# KiCad board Rogelio Pineda 2;12 AM-AMLDC-2044B.kicad_pcb (continued)
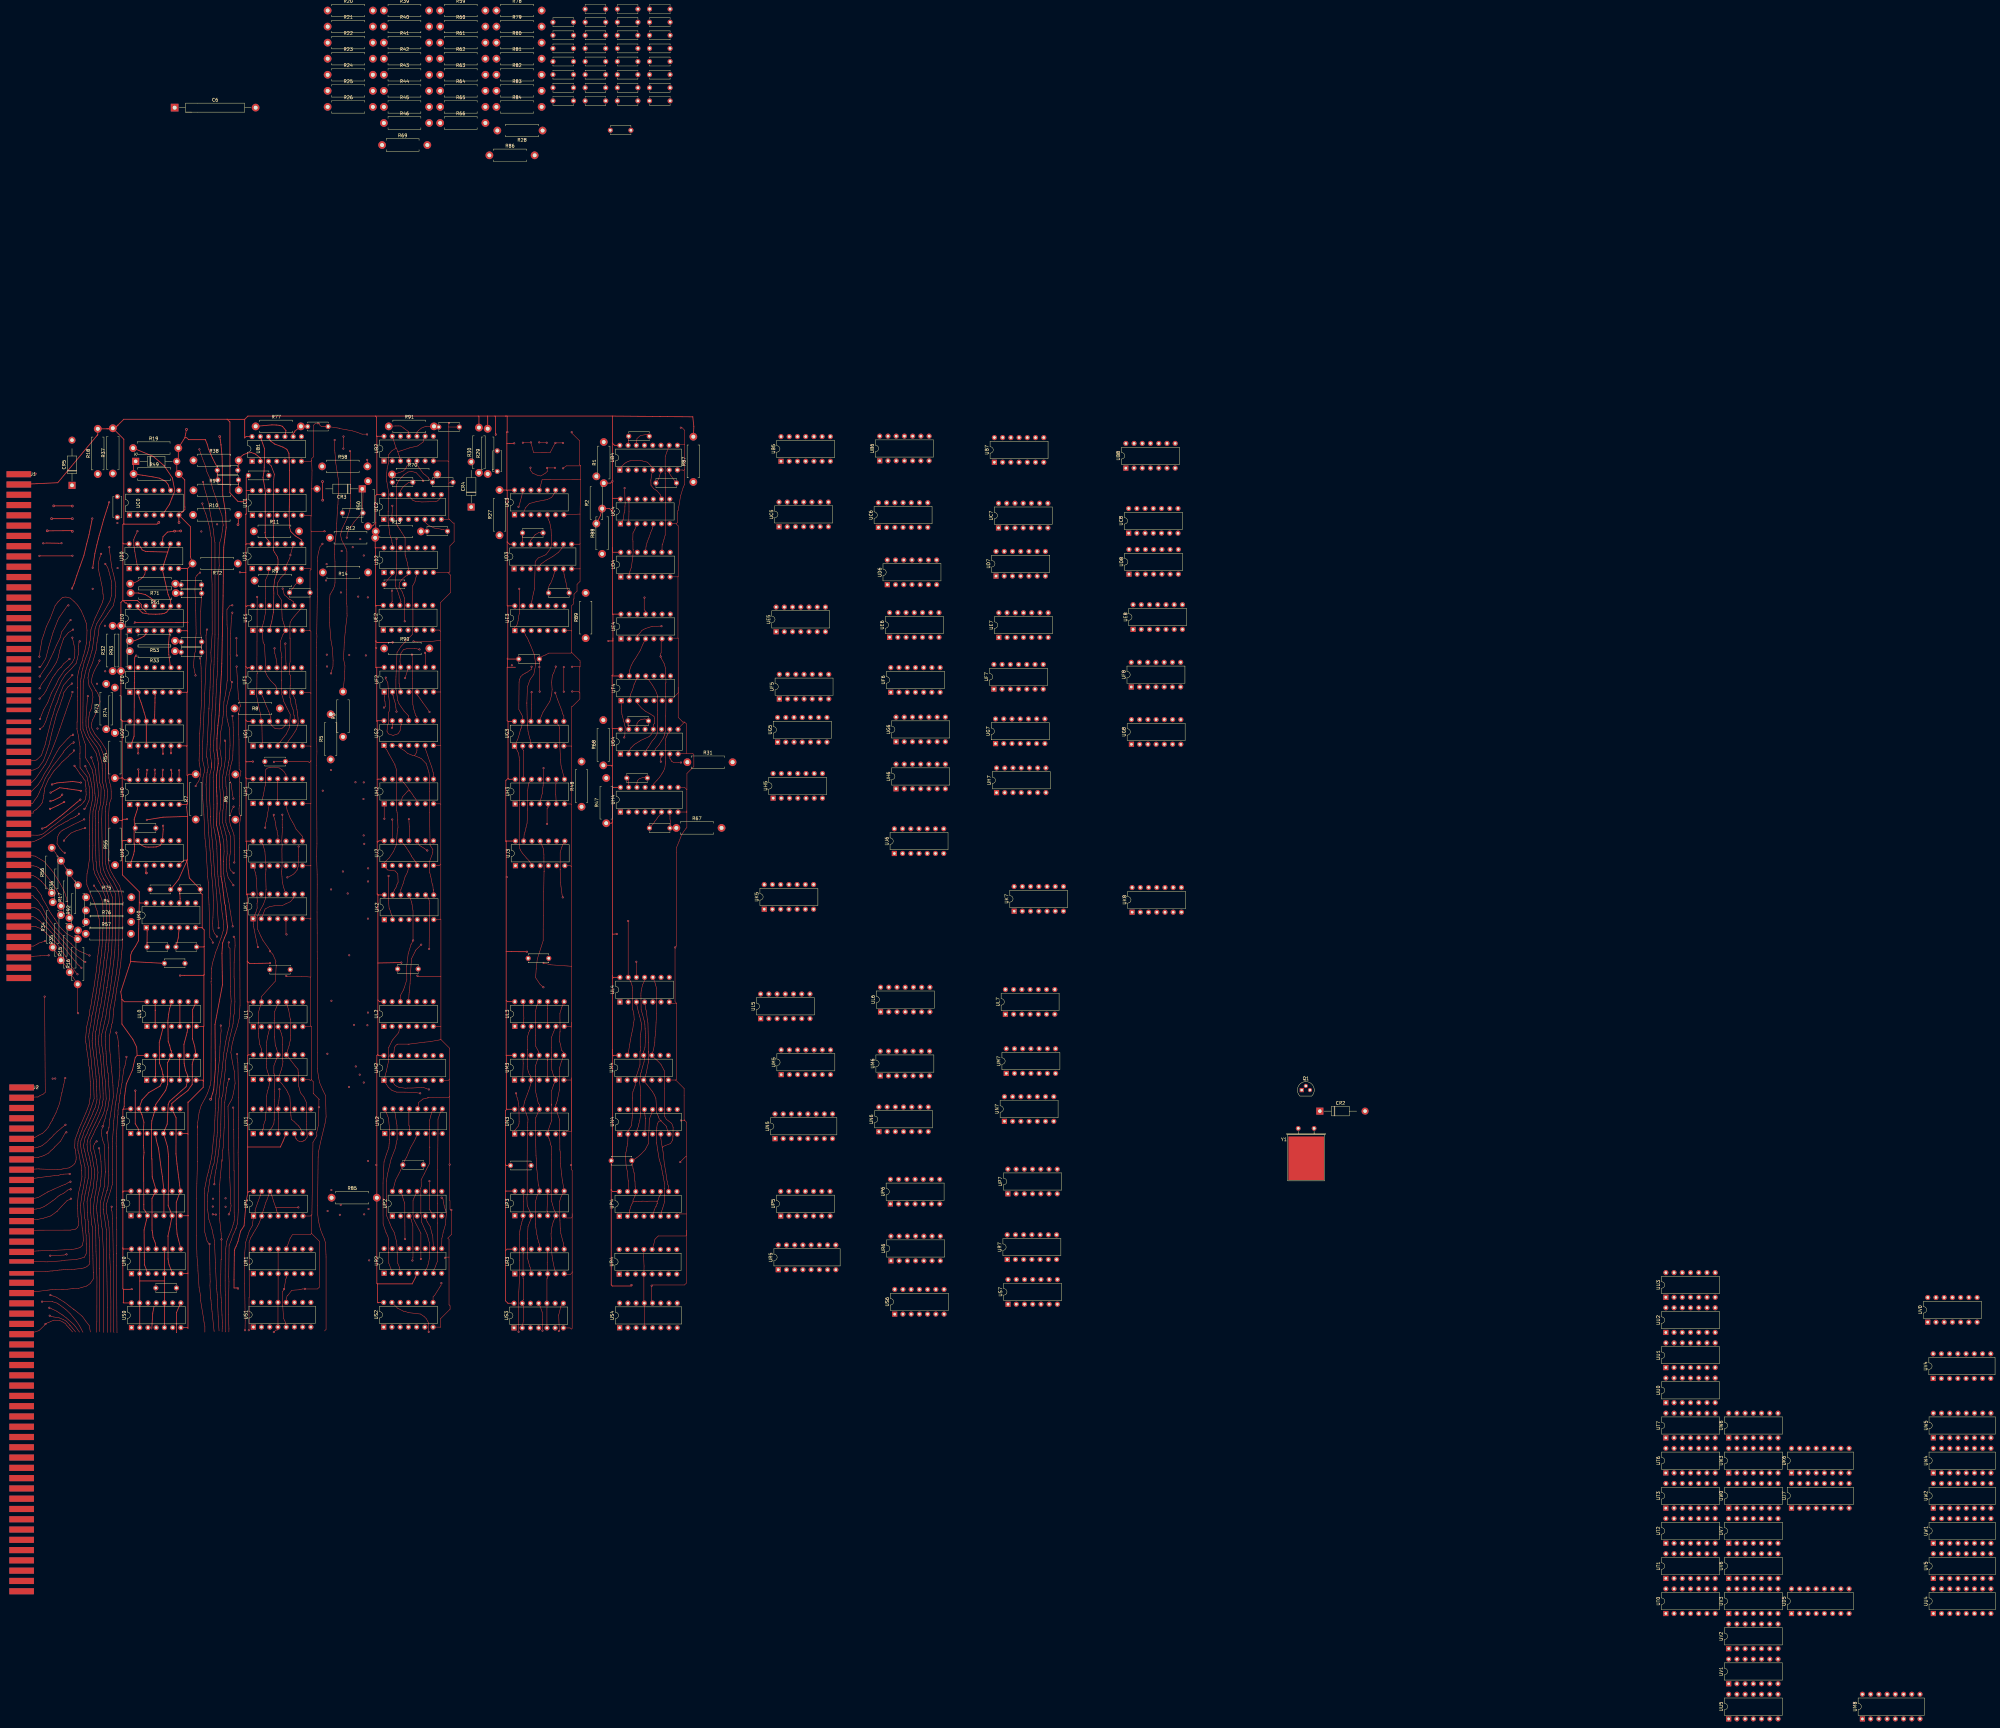
[diagram p0: board, top side]
## Routing (per net, layer and track width the routed paths; a pad name or vN(x,y) marks a point on that pad's centre or on a via; arc(x,y) is an arc through that point) (continued)
H0p8: length 3
  Top w0.25: 125.19,293 125.23,292.95 v1(125.27,292.95) UH0.8
H0p9: length 3.3
  Top w0.25: UH0.9 122.99,292.01 122.79,293 v1(122.79,293.11) 122.9,293.11 122.92,293.13
H0p10: length 3.2
  Top w0.25: 120.16,293.16 120.15,293.16 v1(120.21,293.11) UH0.10
H0p11: length 3.2
  Top w0.25: 117.79,293.13 v1(117.73,293.13) 117.73,293.08 117.83,292 UH0.11
H0p12: length 3.3
  Top w0.25: 115.36,293.08 v1(115.42,293.08) 115.42,293.13 115.36,293.08 ; 115.36,293.08 115.27,291.9 UH0.12
H0p13: length 3.4
  Top w0.25: UH0.13 112.79,292.26 v1(112.65,293.21) 112.65,293.08
H1p3: length 7.9
  Top w0.15: UH1.3 152.63,279.93 152.49,278.81 152.15,277.24 151.89,276.38 v1(151.81,275.23) 151.89,275.19 152,275.08
H1p5: length 13
  Top w0.15: UJ1.8 163.33,272.55 161.36,274.78 160.73,276.12 160.35,276.79 159.57,278.14 158.6,280.6 UH1.5
H1p10: length 19.3
  Top w0.15: UH1.10 158.27,291.56 157.66,292.49 157.03,293.1 156.18,293.67 154.57,293.92 153.32,293.81 152.41,293.6 152.01,293.12 151.85,291.78 151.98,289.95 151.83,288.26 151.65,287.43 151.24,285.13 150.94,284.13 UH1.2
H1p11: length 7.6
  Top w0.15: UH1.11 UH1.4
H2p1: length 4.7
  Top w0.15: 188.58,277.92 188.58,277.93 v1(188.63,277.98) 188.58,278.02 UH2.1
H2p12: length 14.6
  Top w0.15: UH2.5 198.38,283.99 197.71,284.83 197.27,285.56 196.51,286.59 ; 196.51,286.59 195.9,286.59 194.18,284.7 UH2.3 ; 196.51,286.59 196.17,287.06 195.19,288.42 193.66,290.2 UH2.12
H3p4: length 11.2
  Top w0.15: 237.78,293.65 v1(237.78,293.61) 237.82,293.61 237.66,288.25 237.59,287.71 237.41,285.86 237.05,284.51 UH3.4
H3p5: length 6.5
  Top w0.15: 238.87,276.2 v1(238.87,276.38) 238.87,281.09 239.17,281.4 UH3.5
H3p9: length 7.6
  Top w0.15: UH3.9 241.57,288.47 241.55,285.55 UH3.6
H3p12: length 19.5
  Top w0.15: UJ3.13 231.79,273.14 232.02,273.76 232.39,275.35 232.7,276.62 232.87,280.62 232.84,280.99 232.87,282.17 232.87,286.58 233.07,288.38 233.25,288.98 UH3.12
H4p6: length 6.3
  Top w0.15: C11.1 271.44,276.18 271.83,276.63 272.08,277.09 272.76,277.93 273.06,278.43 274.23,279.8 UH4.6
H4p7: length 7
  Top w0.15: R67.1 276.86,275.14 C11.2 276.97,275.26 276.97,277.21 276.89,277.4 276.81,277.99 276.82,278.67 UH4.7
H4p12: length 19.5
  Top w0.15: UG4.10 276.77,304.77 276.2,304.29 275.99,303.84 275.65,303.17 275.53,302.79 275.43,302.22 275.4,300.89 275.34,296.96 275.42,295.54 275.42,295.18 275.22,293.57 274.81,292.68 274.32,291.85 273.66,290.84 272.79,289.84 271.69,288.64 UH4.12
H4p14: length 5.5
  Top w0.15: UH4.14 266.61,289.13 266.79,289.74 267.34,290.33 268.46,290.71 C56.2
H4p15: length 3.1
  Top w0.15: C56.1 264.07,289.98 UH4.15
J0p3: length 2.5
  Top w0.25: 115.23,261.23 v3(115.15,261.23) 115.15,261.31 115.02,261.44 UJ0.3
J0p10: length 14.3
  Top w0.25: 120.28,275.87 120.31,275.9 v1(120.31,275.85) 120.25,275.85 120.34,274.62 UJ0.10 119.5,269.77 118.2,269.27 117.35,269.25 115.86,269.22 114.79,269.27 113.84,269.7 112.99,270.29 112.48,271.22
J1p1: length 25.8
  Top w0.15: UJ1.1 148.44,262.48 148.76,261.43 148.99,260.51 149.09,259.45 149.35,254.8 149.29,253.91 149.39,252.59 149.46,252.41 149.3,251.86 149.35,250.41 148.97,249.11 148.09,247.09 148.17,245.32 148.27,244.65 148.44,243.73 148.89,241.45 149.17,240.31 149.5,238.39 149.55,238.35 v1(149.59,238.35) 149.59,238.3
J1p11: length 8.4
  Top w0.15: UJ1.11 155.79,272.73 155.54,273.6 155.52,274.27 155.21,275.13 155,276.81 154.73,278 154.45,278.74 154.45,279.16 v1(154.49,279.19) 154.45,279.23 154.45,279.25
J1p13: length 70.9
  Top w0.15: 152.07,262.22 152.08,263.99 152,264.07 151.73,267.97 151.11,270.06 UJ1.13 ; UM1.13 150.73,206.73 150.73,206.74 150.13,208.34 149.7,211.64 149.78,213.19 149.66,213.32 149.66,214.88 149.81,215.03 149.72,215.11 149.72,218.04 150.05,219.26 UL1.13 150.73,223.11 154.98,227.85 155.23,232.62 154.98,233.65 155.15,233.93 154.2,236.12 153.36,237.02 v1(153.3,237.07) 153.36,237.12 153.36,237.26 151.13,240.43 150.56,241.54 149.53,243.82 149.29,247.53 150.35,249.84 151.27,251.52 151.92,253.28 152.09,256.06 152.11,256.07 151.97,260.76 152.08,262.47
J2p4: length 9.5
  Top w0.15: UK2.12 193.71,256.05 194.45,258.06 195.02,260.03 195.83,261.62 UJ2.4
J2p10: length 4.8
  Top w0.15: v1(201.89,268.17) 201.82,268.24 201.82,268.27 ; v1(201.89,268.17) 201.82,268.1 201.82,268.07 ; v1(201.89,268.17) 201,268.79 200.01,269.43 199.39,269.81 UJ2.10
J2p11: length 6.9
  Top w0.15: 196.18,277.77 v1(196.2,277.86) 196.32,275.55 196.42,271.39 UJ2.11
J2p12: length 10.3
  Top w0.15: UJ2.12 195.15,269.43 196.25,267.76 196.9,266.7 197.1,266.26 197.75,265.37 198.39,264.51 UJ2.5 198.37,264.58
J2p13: length 6.7
  Top w0.15: UJ2.13 v1(191.05,277.74) 191.12,277.77 191.16,277.81
J3p3: length 66
  Top w0.15: 234.12,325.02 234.12,324.96 v1(234.09,324.93) 234.12,324.89 234.12,324.18 233.38,323.7 232.79,323.26 232.12,322.93 231.39,322.48 230.74,321.87 230.34,320.91 230.22,320.2 230.15,311.77 230.88,310.37 231.35,309.52 UG3.13 230.97,306.28 230.84,305.88 230.64,305.46 230.35,304.23 229.81,302.51 UG3.1 229.55,299.25 229.73,298.86 230.05,298.26 230.24,297.05 230.32,296.02 230.32,282.29 ; 230.32,282.42 230.25,270.05 230.39,269.72 230.42,268.92 230.61,268.34 231.24,267.36 232.56,265.82 233.48,264.82 UJ3.3
J3p8: length 17.9
  Top w0.15: 243.63,253.61 v1(243.71,253.69) 243.51,254.44 243.15,257.19 243,258.4 242.91,262.22 242.94,262.24 242.91,262.27 242.92,267.6 243.43,269.24 243.71,269.99 UJ3.8
J3p11: length 46.9
  Top w0.15: UJ3.11 237.25,269.89 237.75,268.64 237.9,266.85 237.89,265.86 237.96,261.63 237.93,261.7 237.84,255.39 237.73,252.8 237.7,248.1 237.68,245.33 237.67,243.85 237.67,240.31 235.85,234.66 235.51,231.61 235.34,228.89 236.75,226.78 237.09,226.55 237.54,226.05 237.64,225.94 v1(237.74,225.94) 237.74,225.85 237.8,225.78
K0p1: length 6
  Top w0.25: UK0.1 115.39,243.27 C57.1
K0p5: length 6.1
  Top w0.25: UK0.5 124.98,241.18 C64.1
K0p10: length 4.3
  Top w0.25: UK0.10 125.55,252.24 125.55,253.36 125.48,254.54 C72.1
K1p5: length 5
  Top w0.15: UK1.5 158.25,242.46 158.42,242.3 v1(158.42,242.26) 158.45,242.26 158.49,242.22
K1p9: length 14.2
  Top w0.15: UK1.2 151.82,250.12 153.14,250.83 154.58,251.08 157.23,251.23 158.27,251.77 159.64,252.38 160.5,253.42 UK1.9
K1p10: length 24.9
  Top w0.15: 157.08,277.75 157.08,277.86 ; 157.08,277.75 v1(157.12,279.22) 157.08,279.2 ; 157.08,277.75 157.08,276.1 157.08,275.37 157.17,275.35 156.95,271.21 157.06,269.65 157,268.6 157.04,264.09 157,262.44 156.88,261.54 157.02,260.14 157.11,258.44 157.55,256.68 UK1.10
K2p2: length 13.8
  Top w0.15: 189.89,260.38 189.89,260.34 v1(189.93,260.31) 189.89,260.28 189.89,252.79 190.1,250.33 190.47,249.51 190.78,248.38 191.16,247.74 191.17,247.72 UK2.2
K2p9: length 17.3
  Top w0.15: 202.51,237.68 v1(202.45,237.78) 202.59,251.71 202.5,252.59 202.28,253.46 UK2.9 201.43,254.44
K2p11: length 33.9
  Top w0.15: UK2.11 197.03,252.25 197.17,251.56 197.48,249.55 197.48,240.46 197.51,240.42 v1(197.52,240.39) 196.83,239.06 195.97,236.25 195.53,232.46 195.56,228.29 194.78,225.8 194.46,225 193.56,223.36 UL2.12
L0p3: length 80.9
  Top w0.25: UL0.3 119.13,208.89 119.18,202.53 119.89,200.65 120.24,198.96 120.3,198.89 UM0.3 119.34,195.41 115.89,193.42 113.8,191.17 UN0.13 113.75,186.67 114.38,184.29 114.25,182.12 114.25,177.11 114.41,174.88 114.28,173.24 114.36,158.91 114.36,157.43 114.91,156.64 UP0.3 114.44,151.02 114.52,141.86 114.57,140.22 UR0.3
L0p6: length 80.1
  Top w0.25: UL0.6 127.71,211.97 126.74,208.3 126.8,202.47 126.96,201.66 127.26,200.23 127.92,198.6 UM0.6 127.41,195.24 122.41,190.81 122.18,190.5 121.87,189.7 121.58,183.69 120.82,181.91 UN0.5 121.69,176.64 121.99,173.61 121.88,158.48 122.45,157.11 UP0.6 122.41,151.88 121.8,149.12 121.83,149.09 121.83,142.04 122.14,140.25 UR0.6
L0p8: length 80.6
  Top w0.25: UR0.8 124.63,149.71 124.38,152.79 124.38,159.52 UP0.8 124.6,171.38 124.28,174.49 124.31,185.62 UN0.9 123,190.08 124.6,191.47 125.85,192.44 127.96,194.04 129.28,195.93 129.34,198.96 129.3,202.17 129.61,203.46 129.93,204.18 UM0.8 130.06,207.73 129.38,210.04 129.44,216.85 129.41,219.02 UL0.8
L0p10: length 7.6
  Top w0.25: UL0.10 UL0.5
L0p11: length 78.8
  Top w0.25: UL0.11 122.33,219.38 122.01,217.59 121.78,215.57 121.88,209.23 122.35,207.93 122.65,206.54 122.84,206.35 UM0.11 122.18,203.6 121.91,203.03 121.68,202.65 121.72,196.04 121.71,196.03 121.11,194.12 118.05,189.78 UN0.11 117.35,186.47 116.83,184.71 116.68,182.04 116.79,172.97 116.85,172.91 116.95,167.36 118,163.85 UP0.11 116.88,160.69 116.9,150.86 117.03,150.31 117.2,148.71 117.9,146.95 UR0.11
L0p13: length 7.7
  Top w0.25: UL0.13 117.87,218.86 117.95,218.78 117.87,218.7 UL0.2
L1p3: length 33.6
  Top w0.15: UN1.2 151.03,182.07 151.35,182.47 151.39,183.54 151.85,184.91 152.1,187.7 152.21,189.35 152.21,192.19 152.57,193.94 152.96,195.09 UM1.3 152.82,199.11 152.46,200.11 152.28,201.08 152.18,202.23 152.18,203.02 152.2,208.03 152.28,209.01 152.57,210.8 152.86,211.77 UL1.3
L1p10: length 50.4
  Top w0.15: 161.37,179.13 161.34,179.23 ; 161.34,179.23 161.15,179.71 UN1.6 ; 161.34,179.23 161.72,178.7 162.39,178.31 163.14,178.32 163.26,178.34 163.64,178.5 ; 159.59,216 159.08,218.98 158.69,220.11 UL1.10 ; 163.64,178.5 163.51,178.45 ; 163.64,178.5 164.14,178.75 164.81,179.68 164.61,183.66 164.64,184.5 164.58,190.33 163.74,192.11 162.73,193.34 162.18,195.41 162.12,199.43 162.02,199.52 161.96,200.62 161.21,201.47 159.69,203.44 UM1.10 158.69,206.29 159.2,207.88 159.59,209.66 159.72,211.18 159.57,216.16
L1p11: length 42.1
  Top w0.15: 154.62,191.25 154.71,190.59 154.71,187.4 154.61,187.31 154.61,184.94 ; 154.61,191.18 154.69,193.84 154.61,194.41 154.83,196.89 154.74,196.98 154.74,198.94 154.54,199.29 154.51,199.36 154.51,201.66 155.05,203.13 155.81,205.08 155.33,207.11 154.94,208.08 154.76,210.55 154.69,210.62 154.69,215.61 154.58,215.72 154.69,216.26 154.76,218.44 155.58,220.42 UL1.11 ; 154.61,185.08 154.51,183.83 153.86,182.54 153.24,181.88 UN1.3
L2p3: length 30.9
  Top w0.15: 199.83,193.23 v1(199.7,193.2) 198.07,193.46 195,193.56 192.42,193.56 190.94,194.11 189.89,195.04 189.29,195.94 UM2.1 189.22,199.95 189.58,201.59 189.91,203.09 189.91,204.62 189.96,204.68 189.96,207.39 190.04,207.46 190.95,209.32 191.31,209.88 193.07,211.97 193.37,213.66 UL2.3
L2p11: length 19
  Top w0.15: 196.7,229.86 196.57,227.18 196.37,224.8 196.27,224.28 UL2.11 ; 200.03,239 v1(200,239.1) 198.26,237.37 198.26,237.27 196.99,234.72 196.69,229.66
L3p3: length 78.6
  Top w0.15: UL3.3 233.97,213.84 233.54,212.68 233.2,211.97 232.82,210.58 232.75,209.82 232.76,206.62 ; UR3.3 233.67,139.37 233.55,139.62 233.05,141.38 232.86,142.28 232.79,143.38 232.76,144.75 232.82,147.23 232.79,148.34 232.99,152.09 233.9,154.41 UP3.3 233.49,156.88 232.75,158.47 232.64,160.87 232.73,161.87 232.74,162.92 232.73,163.34 232.73,169.57 232.7,169.6 232.77,180.22 232.86,182.66 232.93,184.13 232.98,185.25 232.19,187.77 UN3.13 231.53,188.39 231.82,190.22 232.05,191 232.82,193.03 233.21,194.06 233.94,196.39 233.9,196.43 UM3.3 233.77,198.6 233.43,198.93 233.04,200.01 232.76,201.37 232.76,206.77
L3p6: length 79.2
  Top w0.15: UR3.6 241.68,137.51 241.27,138.66 241.15,139.02 240.51,142.18 240.4,143.23 240.28,144.57 240.15,148.46 240.1,149.82 240.37,151.93 240.75,153.45 UP3.6 241.62,156.08 241.07,157.08 240.54,158.86 240.28,159.89 240.11,162.45 240.19,162.87 240.25,172.61 240.29,174.34 240.21,176.71 239.92,177.56 239.75,178.51 239.45,179.3 UN3.5 239.36,182.14 239.61,182.92 239.91,183.79 240.27,184.7 240.34,184.94 240.25,185.99 240.21,187.99 240.28,189.88 240.28,189.52 240.26,193.95 240.89,195.8 UM3.6 241.52,198.14 240.88,198.58 240.37,200.34 240.34,200.37 240.27,203.09 240.18,204.14 240.28,205.8 240.22,207.38 240.21,210.41 240.97,212.38 UL3.6
L3p8: length 78.2
  Top w0.15: UR3.8 243.89,146.95 243.13,149.86 243.06,150.87 242.93,151.37 242.85,153.99 242.67,159.64 243.24,161.38 UP3.8 243.58,166.36 243.34,168.28 243,171.47 242.98,173.31 242.92,175.09 242.82,175.81 242.81,179.35 242.74,180.22 242.76,184.93 242.01,187.2 UN3.9 241.56,189.65 241.76,190.18 242.01,190.92 242.67,194.22 242.76,196.96 242.77,198.56 242.73,199.78 242.76,200.58 242.71,201 243.27,202.92 UM3.8 244.06,205.7 243.31,206.55 243.04,208.24 242.73,209.22 242.8,210.88 242.83,212.13 242.88,212.18 242.83,217.89 243.43,219.83 UL3.8
L3p10: length 7.6
  Top w0.15: UL3.5 239.07,219.42 239.05,219.44 239.07,219.46 UL3.10
L3p11: length 78.2
  Top w0.15: UR3.11 236.54,146.55 236.34,147.03 235.99,148.29 235.7,149.71 235.41,151.64 235.31,152.83 235.26,159.6 235.9,161.95 UP3.11 236.33,164.68 236.16,165.01 235.73,169.52 235.6,170.33 235.51,173.1 235.45,173.99 235.34,179 235.25,184.04 235.39,185.7 UN3.11 236.48,189.74 236.15,190.16 235.69,192.26 235.26,193.97 235.3,199.79 235.34,200.44 235.34,201.82 235.97,203.71 UM3.11 236.22,205.13 236.22,206.12 235.38,207.69 235.24,209.36 235.27,211.12 235.28,218.4 235.6,219.91 235.9,220.76 UL3.11
L3p13: length 7.7
  Top w0.15: UL3.2 231.71,216.29 231.57,219.6 231.71,221.23 UL3.13
L4p3: length 59.2
  Top w0.15: 264.12,163.56 264.04,166.09 263.9,166.32 263.67,168.96 263.24,171.09 263.13,173.45 263.2,174.84 263.32,175.43 263.56,176.77 263.76,177.62 263.9,180.52 UN4.2 263.83,181.46 264.92,183.2 265.1,184.91 265.15,185.66 265.19,186.47 265.23,190.99 265.18,191.47 265.21,192 265.37,193.65 266.06,195.56 UM4.3 266.69,197.83 266.53,198.74 267.56,201.99 267.57,206.19 267.74,206.36 267.69,207.39 267.63,207.66 267.63,210.61 267.75,211.3 268.11,214.32 267.49,216.9 267.08,218.28 266.6,220.47 UL4.3
L4p4: length 74.8
  Top w0.15: UL4.4 269.37,219.05 269.52,218.6 269.82,215.96 270.02,214.91 270.15,209.01 270.17,208.98 270.17,206.24 270.19,206.21 270.19,205.81 ; UN4.7 276.03,181.82 275.71,183 274.05,184.68 274.05,184.89 273.78,184.61 273.43,184.61 272.92,183.84 272.74,182.59 272.79,182.29 272.7,182.17 272.62,180.79 272.72,177.89 272.7,177.87 273.02,175.68 273.5,172.78 274.1,170.87 274.53,168.51 274.7,167.72 275,166.02 275.13,165.37 275.13,163.76 275.06,163.7 275.19,163.01 275.21,159.86 274.81,158.53 274.61,157.82 274.25,156.83 274.18,155.54 UP4.6 ; 270.19,206.13 270.1,205.55 270.17,202.86 269.52,199.62 269.22,198.31 UM4.4 269.44,196.17 269.82,195.76 271.33,193.82 271.91,192.86 272.47,191.63 272.64,188.91 272.57,188.63 272.68,187.28 273.28,185.94 273.37,185.58 273.93,184.76
L4p10: length 75.2
  Top w0.15: 274.44,176.37 274.01,179.23 UN4.6 ; UL4.10 272.22,227.27 272.36,226.67 272.7,225.63 272.7,217.91 272.52,215.11 272.42,212.15 272.18,210.35 272.13,208.78 271.74,206.74 UM4.10 272.06,204.03 272.82,203.38 274.02,202.15 275.07,200.13 275.12,194.61 275.12,188.22 275.09,188.19 275.16,186.12 275.68,185.18 277.36,183.88 277.8,182.71 277.74,179.97 277.68,178.91 277.68,178.8 276.95,177.66 275.41,177.1 274.55,176.64 274.48,176.32 274.69,175.09 275.09,171.33 275.52,168.94 275.86,166.43 276.03,165.83 276.15,165.02 276.42,164.45 UP4.10
L4p11: length 49.2
  Top w0.15: UL4.11 268.84,227.74 268.38,226.75 267.96,225.04 267.85,224 267.85,223.31 267.91,219.01 268.35,217.54 268.87,215.5 269.06,214.54 269.15,213.11 269.12,213.08 269.26,211.79 269.34,210.99 269.26,210.46 269.1,207.4 268.69,206.03 UM4.11 268.91,204.02 268.82,202.89 268.37,201.43 268.07,200.24 267.89,199.63 267.72,199.14 267.68,198.83 267.47,196.58 267.72,194.48 267.75,192.57 267.75,187.18 267.72,186.61 267.51,184.89 267.22,183.75 267.12,183.11 266.66,181.98 UN4.3
L4p12: length 5
  Top w0.15: 266.42,233.92 266.45,233.89 266.45,233.85 v1(266.42,233.82) 266.45,233.79 UL4.12
L4p13: length 42.4
  Top w0.15: UM4.13 263.89,205.19 264.38,208.3 264.65,209.74 264.85,210.99 265.29,212.84 265.62,215.02 265.77,216.02 265.67,217.62 265.3,219.2 265.3,224.84 265.2,225.91 265.1,226.51 264.74,227.59 UL4.13 263.91,246.28 263.91,246.28 v1(263.91,246.42) 263.77,246.42 263.7,246.49
M0p10: length 7.6
  Top w0.25: UM0.10 UM0.5
M0p13: length 7.6
  Top w0.25: 117.76,197.25 118.01,199.44 117.95,203.35 UM0.13
M2p2: length 12.7
  Top w0.15: UM2.2 191.76,195.83 192.34,195.43 193.14,195.04 195.12,194.76 195.85,194.83 197.15,194.82 200.13,194.98 200.78,194.97 201.62,194.65 v1(202.38,194.38) 202.48,194.28
M3p10: length 7.7
  Top w0.15: UM3.5 238.98,203.29 239.04,203.35 238.98,203.42 UM3.10
M3p13: length 7.6
  Top w0.15: UM3.2 231.49,202.51 231.44,203.54 231.49,203.89 UM3.13
N0p2: length 13.7
  Top w0.25: 111.88,194.07 111.85,194.04 v1(111.72,194.04) 111.72,193.91 111.71,193.91 111.7,183.82 112.76,182.03 UN0.2
N0p4: length 25.6
  Top w0.25: UN0.4 118.24,178.54 118.89,176.23 119.76,169.56 120.1,167.4 UP0.10 UP0.5
N1p4: length 13.8
  Top w0.15: 156.26,194.46 v1(156.23,194.46) 156.17,192.18 156.08,191.06 155.99,190.3 155.77,189.58 155.78,189.55 UN1.13 155.83,187.33 155.9,185.48 155.93,181.97 UN1.4
N1p7: length 36.1
  Top w0.15: UN1.7 162.75,182.33 162.31,182.83 162.14,183.14 161.43,183.75 160.91,184.34 159.89,185.15 159.77,186.34 159.46,192.11 ; 159.39,192.16 158.76,193.5 158.49,194.13 157.61,195.3 157.09,196.02 UM1.4 156.78,200.41 157.22,202.03 157.31,203 157.24,203.59 157.11,206.51 157.11,208.13 157.15,208.16 157.15,210.33 156.82,211.71 156.47,212.63 155.81,213.45 UL1.4
N2p5: length 19.6
  Top w0.15: UP2.14 191.55,164.21 191.71,165.02 192.09,166.39 193.6,169.31 C69.1 195.01,172.65 195.48,173.42 196.73,176.43 197.97,178.61 UN2.5
N2p9: length 51.4
  Top w0.15: 205.08,144.41 205.04,144.44 ; 205.04,144.44 205.04,141.29 204.72,140.65 204.37,139.6 203.79,138.33 UR2.7 ; 205.04,144.44 205.04,153.09 205.11,153.16 205.11,159.26 205.08,159.3 205.08,169.72 205.18,180.67 205.18,185.24 205.9,187.24 UN2.9
N2p10: length 52.6
  Top w0.15: UN2.10 203.35,187.61 202.91,186.08 202.61,184.88 202.49,182.89 202.51,182.79 202.58,176.63 202.7,176.52 202.63,176.45 202.56,171.47 201.68,169.8 201.05,168.5 199.99,166.46 200.01,164.54 199.85,163.78 199.9,163.73 199.9,156.16 199.85,156.11 199.94,156.02 200.13,153.42 201.12,151.2 201.86,149.51 202.49,147.14 202.49,142.19 202.35,141.21 202.1,140.19 201.72,139.11 201.25,138.42 UR2.6
N2p13: length 7.8
  Top w0.15: UN2.4 196.37,183.09 196.2,183.26 196.2,188.22 UN2.13
N2p15: length 52.2
  Top w0.15: UN2.15 191.91,187.22 192.42,183.89 192.53,183.32 192.56,178.93 192.31,177.81 192.07,176.35 190.72,172.92 189.67,168.5 189.24,166.1 189.22,161.35 189.33,155.36 190.31,153.09 190.79,151.83 191.69,150.18 192.39,147.41 192.51,146.33 192.58,143.8 192.6,143.56 192.79,140.62 193.35,139.32 193.51,137.73 UR2.3
N2p16: length 51.9
  Top w0.15: UN2.16 189.13,187.5 189.92,185.48 190.23,181.95 190.18,181.9 190.18,178.99 190.23,178.94 190.1,177.61 190.02,176.51 189.21,174.2 188.53,172.03 188.27,167.01 188.22,165.46 188.22,160.78 188.29,160.7 188.19,160.59 188.24,152.84 189.11,150.31 189.65,149.13 190,148.05 189.97,145.59 190,144.02 190,140.75 190.65,139 UR2.2
N3p1: length 13.3
  Top w0.15: 229.38,193.08 v1(229.27,193.19) 229.61,191.89 229.89,191 230.01,190.15 230.18,189.21 230.23,184.4 230.21,183.74 229.98,183.06 228.86,181.72 UN3.1
N4p12: length 52.3
  Top w0.15: UP4.2 264.24,155.75 264.31,156.85 264.73,158.24 265.15,159.23 265.41,159.58 265.41,160.23 265.99,161.39 UP4.14 266.26,163.81 266.06,164.42 266.03,165.86 265.97,166.17 265.77,168.43 265.7,168.8 265.4,170 265.28,171.15 C55.2 265.99,172.91 266.56,173.3 267.84,174.37 269.19,175.78 269.54,176.48 270.16,177.63 270.26,181 270.31,181.04 270.44,185.21 271.26,187.27 271.33,188.09 UN4.12 ; 272.53,158.34 271.96,157.22 271.67,155.57 UP4.5 ; 272.45,158.22 272.56,158.39 272.87,159.15 272.87,159.08 272.87,159.71 ; 272.87,159.71 273.23,160.38 273.41,161.03 273.44,161.19 273.66,161.48 273.84,161.87 273.99,162.73 UP4.11 ; 272.87,159.71 272.69,159.88 270.35,159.88 269.93,159.86 269.6,159.85 268.29,159.89 267.91,159.85 267.16,159.82 266.4,159.84 266.24,159.85 265.41,159.88
N4p13: length 7.9
  Top w0.15: UN4.4 269.1,180.78 269.2,185.49 ; 269.22,185.32 UN4.13
P0p13: length 7.6
  Top w0.25: UP0.13 UP0.2
P1p12: length 59.7
  Top w0.15: 155.08,157.94 155.28,157.46 155.36,156.98 ; 155.08,157.94 162.04,157.94 v1(162.06,157.97) 162.09,157.94 162.21,157.94 ; 155.08,157.94 154.42,159.84 153.99,161.25 UP1.12 152.43,160.45 152.05,159.56 151.54,157.94 151.21,156.95 UP1.2 149.9,152.98 149.52,152.25 148.78,151.01 148.13,149.95 147.9,149.47 147.37,148.61 146.86,147.24 146.91,130.22 146.84,130.15 146.84,120.11 v1(146.76,120.03) 146.84,119.95 146.84,119.93 ; 155.35,157.06 UP1.4
P1p13: length 43.9
  Top w0.15: UP1.13 149.6,159.68 148.69,157.05 148.76,156.58 UP1.1 147.85,152.31 146.92,150.66 146.5,149.36 145.78,147.11 145.53,143.99 145.5,134.33 145.65,122.92 v1(145.6,120.03) 145.63,119.93
P2p3: length 14.3
  Top w0.15: 197.23,141.46 197.3,141.53 v1(197.3,141.56) 197.33,141.56 197.43,141.66 197.43,142.58 197.46,142.61 197.46,145.85 197.43,145.89 197.43,152.28 196.92,154.2 UP2.3
P2p5: length 10.5
  Top w0.15: UP2.5 201.82,153.59 202.78,152.03 203.33,149.8 203.56,149.27 UR2.10
P2p6: length 11.2
  Top w0.15: 202.55,166.03 v1(202.53,166.08) 202.58,157.46 202.74,157.02 203.02,156.62 203.26,156.2 203.7,155.41 UP2.6
P2p11: length 21.9
  Top w0.15: 197.68,154.48 197.45,155.86 197.49,155.9 197.49,160.19 197.76,160.83 UP2.11 ; 199.91,141.81 v1(199.91,142.05) 199.91,149.99 197.65,154.4
P2p13: length 15.1
  Top w0.15: UP2.13 194.15,161.71 194.52,160.29 194.93,159.27 v1(195,148.19) 195.06,148.02
P3p10: length 7.7
  Top w0.15: UP3.5 239.08,156.67 238.86,156.89 UP3.10
P3p13: length 44.1
  Top w0.15: 231.44,154.46 UP3.2 231.55,159.78 231.53,161.51 231.46,162.39 UP3.13 ; 231.44,154.46 231.13,153.69 230.99,152.95 230.82,152.41 230.51,150.97 230.44,150.4 230.28,149.68 230.28,141.5 230.3,141.43 230.37,136.51 230.14,131.83 229.99,127.08 230.08,119.6 v1(230.08,119.55) 230.12,119.55 230.14,119.53 ; 231.44,154.46 231.35,154.12
Pad6p6: length 2.6
  Top w0.15: 273.98,295.5 273.98,295.59 v1(274,295.61) 273.98,295.64 273.98,296.78 273.97,296.79 274.23,297.05 UG4.6
Pad14p14: length 6.1
  Top w0.15: C12.2 269.12,308.81 267.88,308.61 267.4,308.37 267.39,308.36 267.04,308.02 266.84,307.71 266.61,307.27 UG4.14
Pad15p15: length 2.7
  Top w0.15: C12.1 264.07,307.95 UG4.15
Pad77: length 23.4
  Top w0.15: R35.2 88.78,248.29 R36.1 88.79,251.05 88.58,253.02 88.41,254.02 87.9,255.27 ; 87.95,255.19 87.36,256.11 87,256.64 85.43,258.93 83.93,260.86 83.09,261.87 82.31,262.52 81.93,262.84 81.11,263.24 80.32,263.42 76.05,263.42 J1.77
R0p13: length 56.2
  Top w0.25: 120.71,135.32 UR0.5 UR0.10 ; 120.71,135.32 120.64,135.25 113.09,135.25 ; 120.71,135.32 120.71,128.47 US0.10 US0.5 ; 113.09,135.25 UR0.2 UR0.13 ; 113.09,135.25 113.09,128.47 US0.13 US0.2
R1p4: length 26.5
  Top w0.15: 154.45,119.42 154.48,119.45 v1(154.5,119.45) 154.5,119.47 155.11,120.08 155.54,120.08 155.54,120.76 US1.4 US1.13 155.82,128.66 UR1.4 UR1.13
R1p5: length 17
  Top w0.15: US1.5 158.06,122.48 157.5,123.73 157.24,127.75 157.17,127.82 157.17,132.01 157.67,132.52 157.67,132.73 v1(157.64,132.77) 157.67,132.81 158.18,135.77 158.36,136.2 UR1.5
R2p9: length 16.4
  Top w0.15: 206.44,160.81 v1(206.32,160.96) 206.72,160.53 206.86,159.6 207.09,158.47 207.43,157.33 207.79,156.29 207.47,152.6 206.75,150.12 206.6,149.1 206.38,148.45 UR2.9
R3p10: length 24.4
  Top w0.15: US3.5 US3.10 238.82,135.95 239.08,136.2 UR3.5 238.9,140.46 238.92,141.01 UR3.10
R3p13: length 24.9
  Top w0.15: UR3.13 231.46,143.76 231.57,143.64 231.46,143.52 UR3.2 231.46,136.04 231.61,135.89 231.61,129.61 231.68,129.54 231.2,129.07 US3.13 231.67,127.9 231.67,127.5 231.64,126.77 231.55,122.95 US3.2
R4p13: length 24.3
  Top w0.15: US4.4 US4.13 268.76,128.55 UR4.4 268.82,139.83 268.69,142.88 268.76,143.95 UR4.13
R9p2: length 5
  Top w0.15: R9.2 162.36,351.52 161.19,350.35 160.58,349.49 C43.1
R10p2: length 3.2
  Top w0.25: 143.38,368.69 143.43,368.74 v2(143.43,368.79) 143.48,368.79 143.53,368.84 R10.2
R13p2: length 1.9
  Top w0.15: C15.1 201.71,366.69 R13.2
R34P1: length 23
  Top w0.15: R34.1 86.23,237.93 87.21,236.9 87.76,236.04 R35.1 89.8,233.12 90.3,232.32 90.56,231.89 R15.1 92.59,228.91 92.66,228.77 R16.1 93.93,218.05 v1(94.06,217.92) 94.19,217.8
R50P2: length 17
  Top w0.15: CR3.1 182.07,379.58 181.95,374.78 181.89,374.03 181.88,373.9 C28.2 181.05,371.68 179.26,369.62 178.43,368.31 177.18,366.37 v1(177.04,364.77)
R56P2: length 14.5
  Top w0.15: R92.2 93.1,258.6 91.87,260.21 R17.2 90.38,262.53 90.08,263.02 ; R56.2 85.93,268.77 87,267.58 87.53,266.74 88.78,265.1 R36.2 90.23,262.79
S0p8: length 9.5
  Top w0.25: 124.47,119.29 124.42,119.34 124.42,125.46 125.36,127.6 US0.8
S0p11: length 7
  Top w0.25: 117.49,127.37 117.11,125.3 116.8,120.38
S3p8: length 9.2
  Top w0.15: US3.8 243.9,128.1 243.14,127.47 242.46,124.72 242.64,119.93 242.51,119.8 v1(242.51,119.77) 242.47,119.77 242.41,119.7
S3p11: length 9
  Top w0.15: 237.53,119.79 237.45,119.87 v1(237.45,119.89) 237.43,119.89 237.41,119.91 237.5,123.2 237.35,125.64 236.73,127.45 236.28,127.71 US3.11
SPARE: length 12.7
  Top w0.15: 82.62,258.76 83.97,257.25 84.82,256.25 R56.1 ; 82.83,258.6 81.86,259.37 81.78,259.48 80.96,260.03 80.28,260.36 75.83,260.61 J1.79
TRK2: length 26.4
  Top w0.15: J1.87 80.07,247.84 81.15,247.22 81.63,246.81 81.85,246.68 82.15,246.5 82.4,246.24 83.05,245.68 83.37,245.3 84.06,244.64 84.8,243.97 85.66,242.99 86.05,242.6 87.12,241.27 87.74,240.48 87.99,240.2 90.1,237.81 91.29,236.23 91.84,235.56 92.49,234.77 92.86,234.25 93.4,233.74 93.62,233.42 93.84,233.11 94.42,232.6 ; v1(95.08,231.94) 94.33,232.68
TRK3: length 30.5
  Top w0.15: 87.2,244.12 88.82,242.41 89.44,241.69 89.55,241.53 91.92,239.35 91.92,239.32 93.01,238.24 93.62,237.64 94.37,237.15 95.09,236.82 96.67,236.16 v1(97.59,235.76) 97.61,235.78 ; J1.83 80.14,254.19 80.55,253.58 80.96,253.31 81.55,252.77 82.54,251.34 82.96,250.82 ; 87.27,244.04 86.86,244.49 85.71,246.09 85.49,246.37 84.11,248.45 82.9,250.89
TRK4: length 25.5
  Top w0.15: 93.77,229.95 v1(93.86,229.95) 93.14,230.77 92.62,231.66 92.24,232.04 91.59,233.27 91.36,233.63 91.2,233.92 90.6,234.83 90.09,235.63 89.02,237.26 88.39,238.25 86.96,240 85.95,240.91 85.11,241.77 84.05,242.87 ; J1.89 79.9,244.67 80.42,244.66 80.88,244.63 81.11,244.63 81.49,244.42 82.4,244.13 83.19,243.5 84.27,242.71
TRK6: length 21.4
  Top w0.15: 93.32,278.69 93.07,278.53 92.77,278.31 92.29,278.17 91.82,277.97 90.88,277.33 90.51,277.14 90.25,277.04 89.59,276.65 88.89,276.25 88.19,275.9 87.26,275.28 86.98,275.09 85.5,273.94 85.2,273.73 85.04,273.59 84.04,272.94 83.68,272.67 83.3,272.45 82.62,271.95 81.76,271.56 81.13,271.25 ; 81.16,271.26 80.38,270.95 J1.73 ; 94.29,279.54 v1(94.31,279.51) 94.29,279.41 93.94,279.07 93.2,278.61
UG4A: length 5.7
  Top w0.15: 280.39,295.44 280.28,295.34 v1(280.2,295.34) 280.2,295.25 279.52,295.27 277.87,295.39 277.35,295.74 277.32,295.74 277.15,296.08 276.85,296.6 276.77,296.69 UG4.7
WALLOUT: length 27.4
  Top w0.15: 92.72,301.57 v1(92.69,301.57) 92.72,301.32 91.95,301.14 90.85,300.11 89.72,298.91 89.45,298.39 88.67,297.33 87.13,295.3 86.36,294.36 85.61,293.26 85.08,292.38 84.66,291.7 83.91,290.49 82.95,288 82.42,286.93 82.11,286.16 81.53,284.92 80.69,283.78 80.04,282.77 J1.65
~{DCHM0}: length 142.3
  Top w0.15: v1(96.29,294.21) 96.98,292.58 97.55,291.52 98.26,288.46 98.33,287.87 98.53,286.12 98.62,285.18 98.43,283.71 98,281.5 97.8,280.71 97.63,278.48 97.64,277.4 97.61,273.22 97.6,271.44 97.63,269.78 97.63,269.32 97.55,265.45 97.26,263.43 97.01,261.75 96.81,261 96.73,258.77 96.78,257.56 97.26,256.46 97.78,255.07 98.4,253.72 99.18,251.87 99.36,251.05 99.9,249.62 100.26,248.08 100.55,247.07 100.72,245.24 100.8,244.16 100.71,241.56 100.68,240.08 100.38,237.26 100.12,235.4 99.8,231.91 99.67,230.93 99.02,226.34 98.43,223.07 98.03,220.32 97.71,218.94 97.54,217.39 96.7,213.63 96.39,210.4 96.33,209.22 96.52,208.57 96.72,206.78 97.21,203.57 97.37,201.84 97.49,201.19 97.66,199.89 97.8,196.75 97.95,195.7 97.85,192.68 97.75,191.63 97.47,189.85 96.9,188.3 96.52,187.31 94.94,183.63 94.27,182.13 94.04,181.31 93.78,180.7 93.11,178.89 93,176.48 93.1,176.14 93.27,175.63 93.47,173.4 93.44,172.66 93.33,172.21 93.03,171.48 92.38,170.86 91.27,170.17 89.41,169.86 88.81,169.73 87.62,169.63 82.11,169.83 81.83,169.86 81.29,169.83 J2.17
~{DCHP OUT}: length 8.7
  Top w0.15: J1.93 76.09,238.65 80.27,238.65 81.37,239.23 81.86,239.56 82.8,239.85 83.82,240.18 v1(83.82,240.23) 83.87,240.23 83.92,240.28
~{DCHR}: length 177
  Top w0.15: J2.35 76.63,141.27 84.61,141.15 88.84,141.44 89.86,141.64 93.41,141.86 94.81,142.21 95.98,142.59 96.49,143.48 96.55,143.7 96.73,144.6 96.67,146.36 96.56,146.93 96.55,149.37 96.35,150.68 96.23,154.13 96.04,154.82 95.8,159.23 95.93,160.09 96.22,162.15 96.49,163.26 96.63,164.22 97.2,166.99 97.2,170.55 96.62,172.81 96.11,175.32 95.85,176.25 95.74,177.09 96.22,179.59 96.86,180.75 97.29,181.96 97.95,183.3 98.59,184.71 99.55,186.77 100.06,187.93 100.32,188.72 100.68,190.3 100.88,192.05 100.63,197.97 100.48,199.4 99.97,203.19 99.72,205.3 99.5,208.3 99.35,209.73 99.36,210.26 99.37,210.73 99.5,212.29 99.72,212.88 100.1,215.56 100.43,217.07 100.76,219.26 101.08,220.54 101.4,222.69 101.65,223.94 102.18,227.97 102.41,229.65 102.74,232.11 102.92,234.09 103.38,237.26 103.36,238.65 103.56,239.54 103.62,240.4 103.79,248.14 103.69,248.24 103.69,250.64 103.69,251.1 103.59,252.74 103.6,253.27 103.43,254.1 103.18,254.83 102.83,255.83 102.36,256.96 101.68,258.09 101.56,258.26 101.12,259.26 100.83,259.72 99.88,261.98 99.66,264.63 99.6,264.7 99.48,268.25 99.46,269.72 99.42,274.71 99.44,275.88 99.42,277.99 99.32,278.69 99.52,280.38 99.94,282.82 100.06,283.58 100.34,285.25 100.21,287.53 99.99,288.38 99.83,289.86 99.56,291.68 99.46,292.94 99.21,293.9 98.75,295.13 v1(98.15,296.91)
